# KiCad board s100_ColorMagic-1.1-004.kicad_pcb
title: Lomax ColorMagic Redux; date: 2024-08-16; rev: 1.1-001; company: Lomax Data Products; note: Redrawn/plotted by Richard Cini; note: Copyright (c) 2024
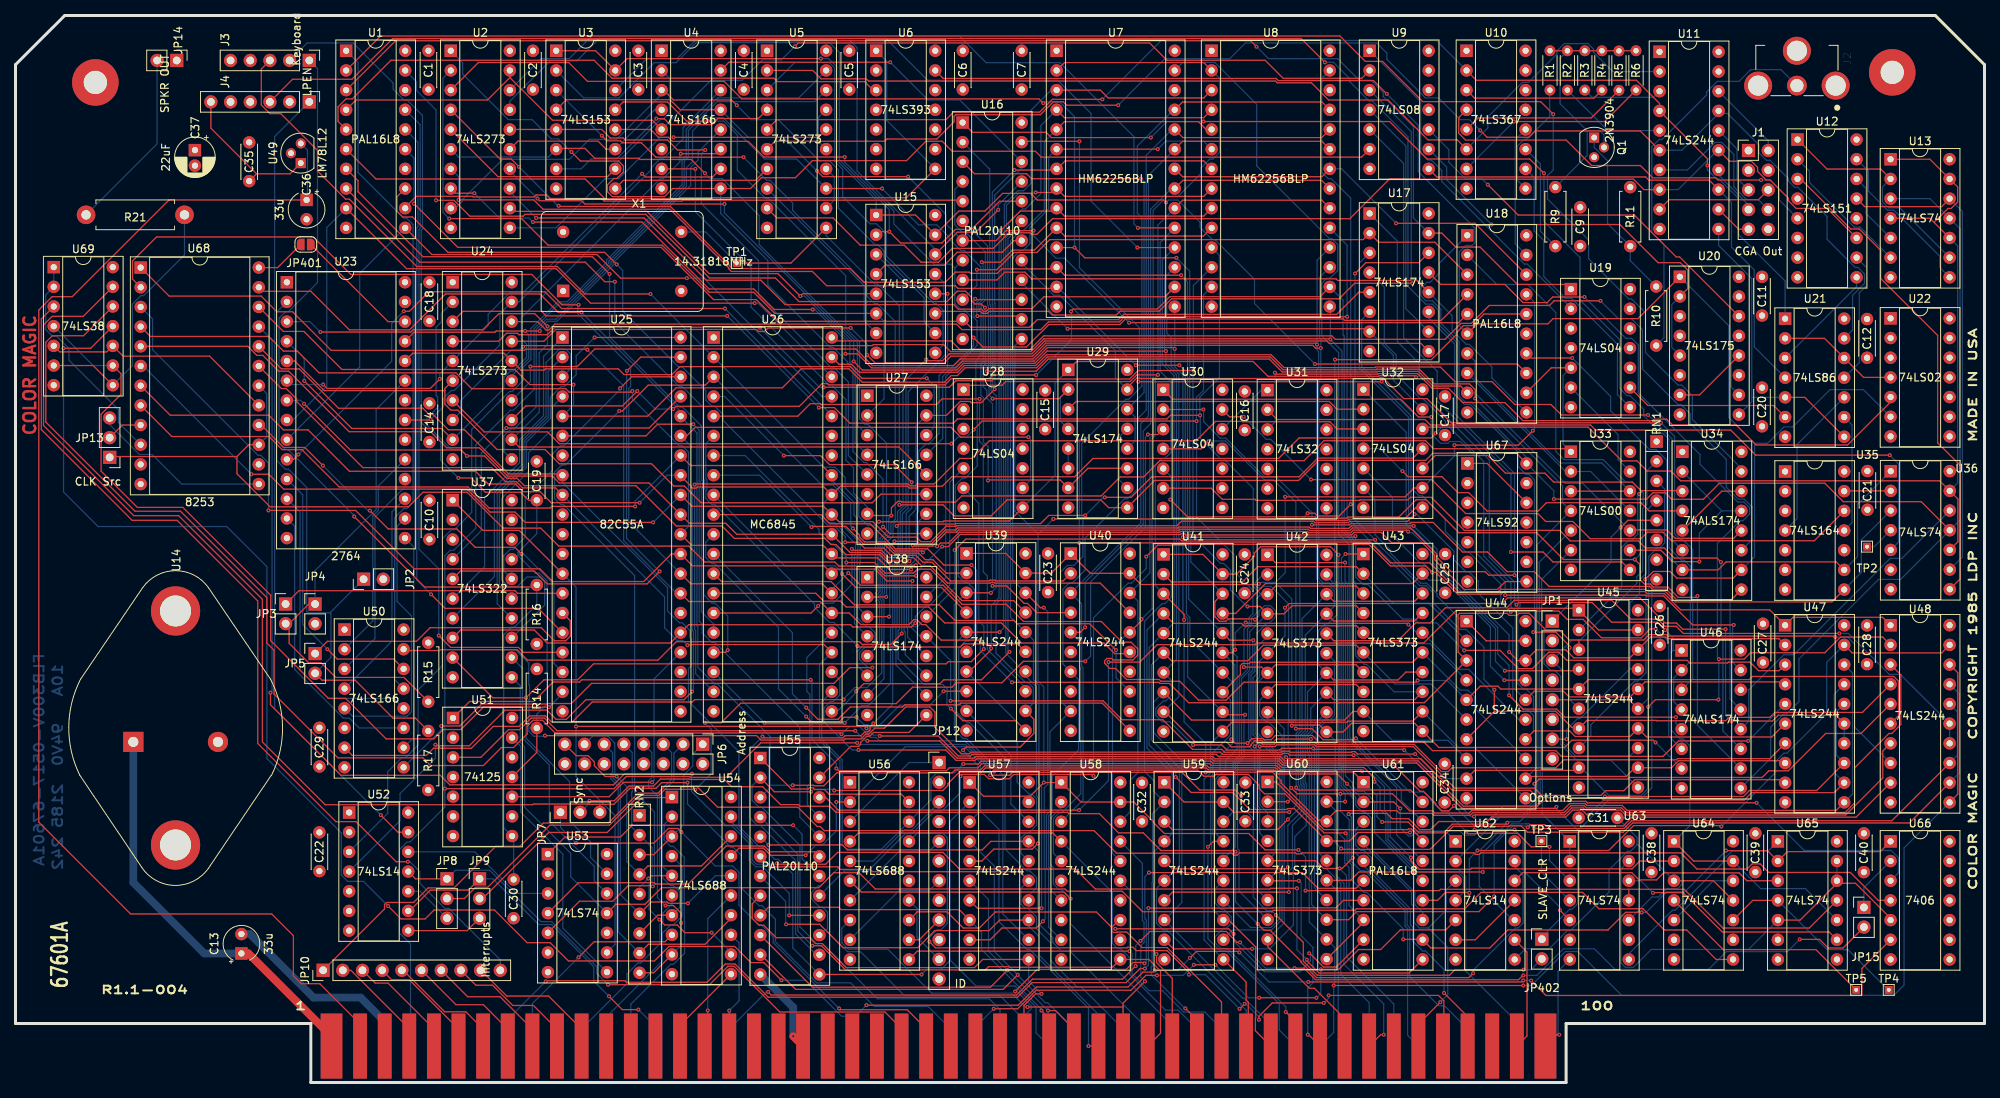
[diagram p0: board, top side]
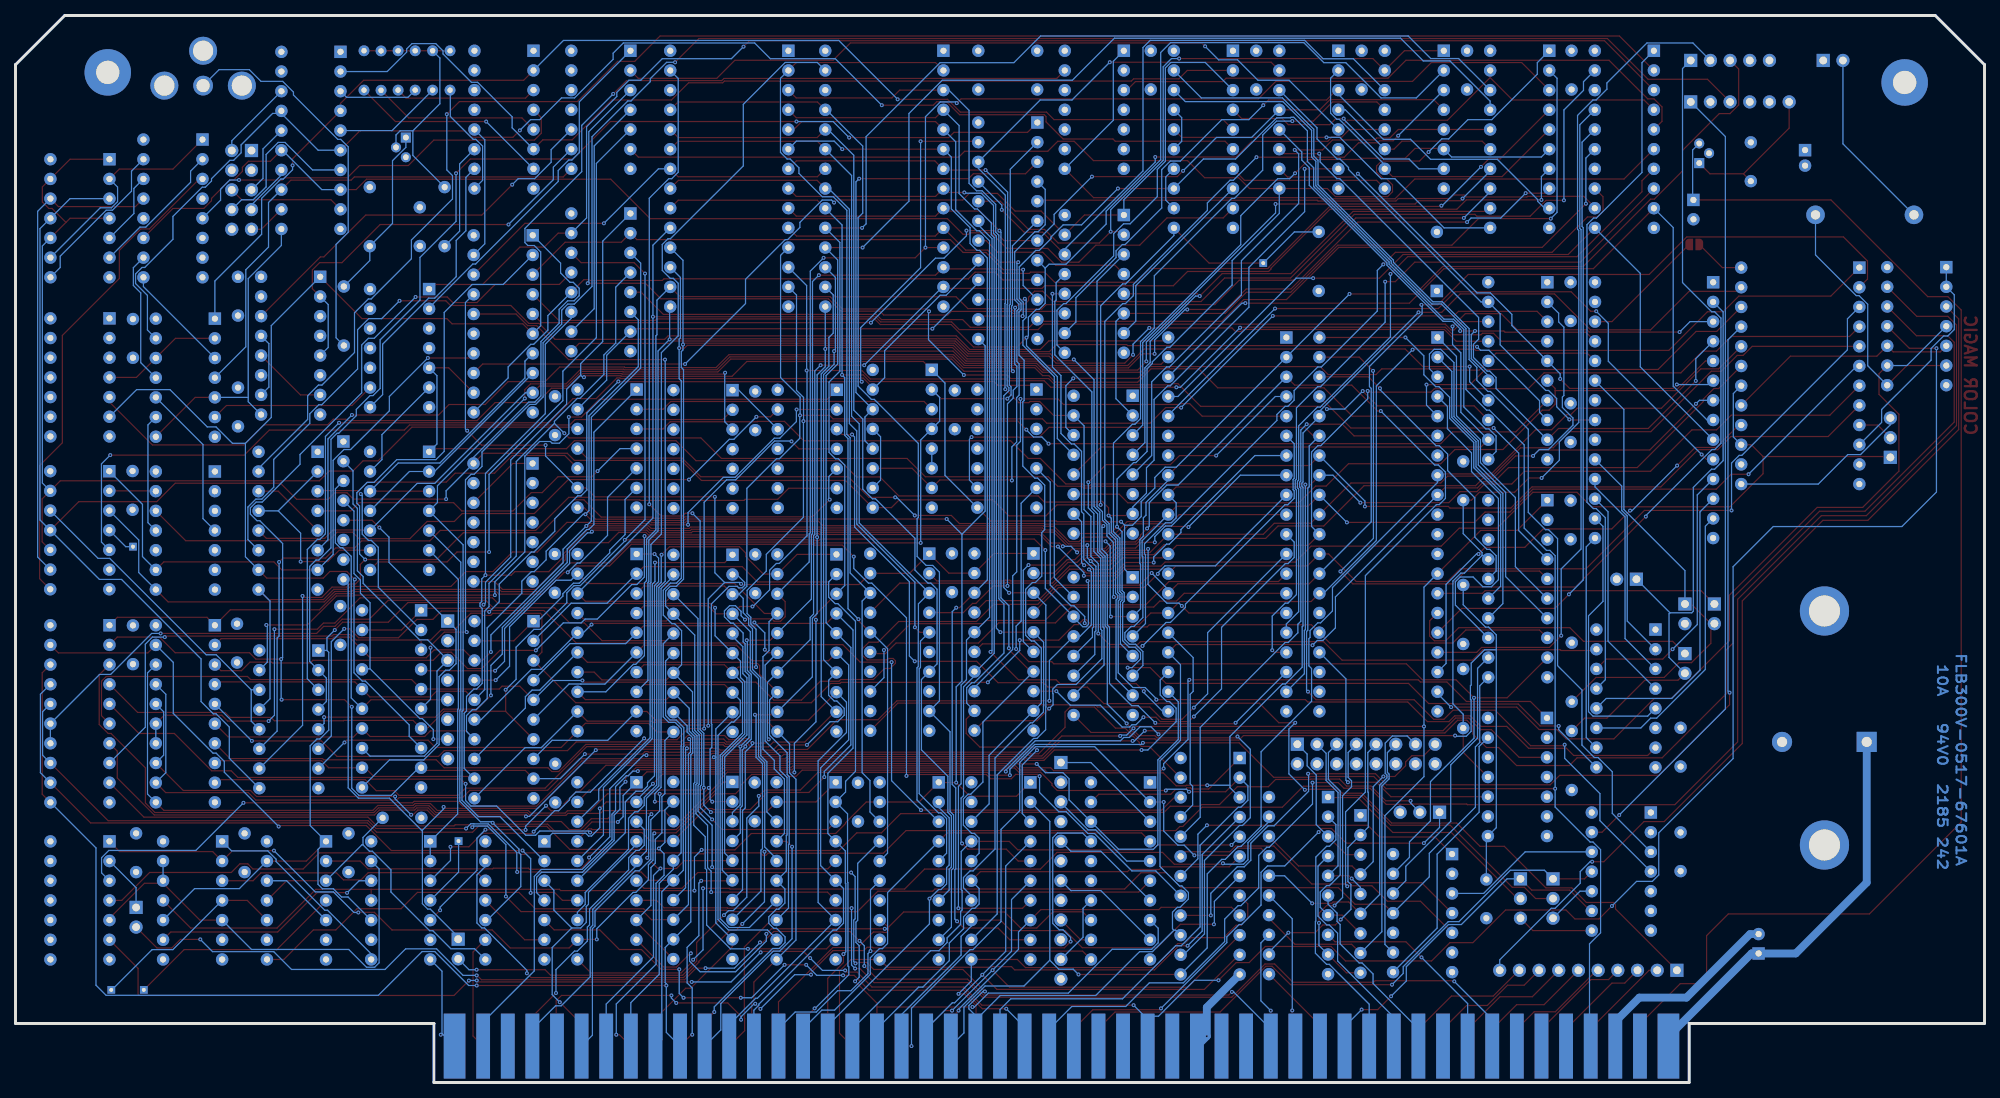
[diagram p1: board, bottom side, seen from below]

Outline 254 x 137.7 mm; copper layers: Component, In1.Cu, In2.Cu, Copper. Coordinates in mm from the lower left corner of the outline.
Outline path: 0,131.36 0,7.62 38.1,7.62 38.1,0 200.03,0 200.03,7.62 254,7.62 254,131.36 247.65,137.7 6.35,137.7 0,131.36
Stack: Component 0.035mm / dielectric 1.51mm FR4 er 4.5 / In1.Cu 0.035mm / dielectric 1.51mm FR4 er 4.5 / In2.Cu 0.035mm / dielectric 1.51mm FR4 er 4.5 / Copper 0.035mm

## Placement (name value [footprint] x y rotation side)
C1  0.1u  [C_Disc_D4.3mm_W1.9mm_P5.00mm]  53.27 133.16 270 top
C2  0.1  [C_Disc_D4.3mm_W1.9mm_P5.00mm]  66.75 133.16 270 top
C3  0.1 uF  [C_Disc_D4.3mm_W1.9mm_P5.00mm]  80.35 133.16 270 top
C4  0.1 uF  [C_Disc_D4.3mm_W1.9mm_P5.00mm]  93.95 133.16 270 top
C5  0.1 uF  [C_Disc_D4.3mm_W1.9mm_P5.00mm]  107.55 133.16 270 top
C6  0.1 uF  [C_Disc_D4.3mm_W1.9mm_P5.00mm]  122.2 133.16 270 top
C7  0.1 uF  [C_Disc_D4.3mm_W1.9mm_P5.00mm]  129.8 133.16 270 top
C9  0.1 uF  [C_Disc_D4.3mm_W1.9mm_P5.00mm]  201.84 107.95 90 top
C10  0.1 uF  [C_Disc_D4.3mm_W1.9mm_P5.00mm]  53.4 70.11 90 top
C11  0.1 uF  [C_Disc_D4.3mm_W1.9mm_P5.00mm]  225.3 103.98 270 top
C12  0.1 uF  [C_Disc_D4.3mm_W1.9mm_P5.00mm]  238.85 98.53 270 top
C13  33u  [CP_Radial_Tantal_D4.5mm_P2.50mm]  29.15 16.66 90 top
C14  0.1 uF  [C_Disc_D4.3mm_W1.9mm_P5.00mm]  53.4 82.66 90 top
C15  0.1 uF  [C_Disc_D4.3mm_W1.9mm_P5.00mm]  132.83 89.31 270 top
C16  0.1 uF  [C_Disc_D4.3mm_W1.9mm_P5.00mm]  158.58 89.19 270 top
C17  0.1 uF  [C_Disc_D4.3mm_W1.9mm_P5.00mm]  184.4 88.56 270 top
C18  0.1 uF  [C_Disc_D4.3mm_W1.9mm_P5.00mm]  53.4 98.28 90 top
C19  47p  [C_Disc_D4.3mm_W1.9mm_P5.00mm]  67.25 75.16 90 top
C20  0.1 uF  [C_Disc_D4.3mm_W1.9mm_P5.00mm]  225.3 84.68 90 top
C21  0.1 uF  [C_Disc_D4.3mm_W1.9mm_P5.00mm]  238.9 78.92 270 top
C22  0.1 uF  [C_Disc_D4.3mm_W1.9mm_P5.00mm]  39.21 32.28 270 top
C23  0.1 uF  [C_Disc_D4.3mm_W1.9mm_P5.00mm]  133.2 68.28 270 top
C24  0.1 uF  [C_Disc_D4.3mm_W1.9mm_P5.00mm]  158.58 68.16 270 top
C25  0.1 uF  [C_Disc_D4.3mm_W1.9mm_P5.00mm]  184.43 68.2 270 top
C26  0.1 uF  [C_Disc_D4.3mm_W1.9mm_P5.00mm]  212.1 56.48 90 top
C27  0.1 uF  [C_Disc_D4.3mm_W1.9mm_P5.00mm#2]  225.38 59.18 270 top
C28  0.1 uF  [C_Disc_D4.3mm_W1.9mm_P5.00mm]  238.85 58.99 270 top
C29  0.1 uF  [C_Disc_D4.3mm_W1.9mm_P5.00mm]  39.21 40.78 90 top
C30  47p  [C_Disc_D4.3mm_W1.9mm_P5.00mm]  64.26 26.21 270 top
C31  47p  [C_Disc_D4.3mm_W1.9mm_P5.00mm]  206.65 34.16 180 top
C32  0.1 uF  [C_Disc_D4.3mm_W1.9mm_P5.00mm]  145.32 38.69 270 top
C33  0.1 uF  [C_Disc_D4.3mm_W1.9mm_P5.00mm]  158.65 38.72 270 top
C34  0.1 uF  [C_Disc_D4.3mm_W1.9mm_P5.00mm]  184.37 41.14 270 top
C35  0.1u  [C_Disc_D4.3mm_W1.9mm_P5.00mm]  30.15 116.33 90 top
C36  33u  [CP_Radial_Tantal_D4.5mm_P2.50mm]  37.55 113.91 270 top
C37  22uF  [CP_Radial_D5.0mm_P2.00mm]  23.15 120.41 270 top
C38  0.1 uF  [C_Disc_D4.3mm_W1.9mm_P5.00mm]  211.05 32.16 270 top
C39  0.1 uF  [C_Disc_D4.3mm_W1.9mm_P5.00mm]  224.45 32.16 270 top
C40  0.1 uF  [C_Disc_D4.3mm_W1.9mm_P5.00mm]  238.45 32.16 270 top
H1  CONN_1  [MountingHole_3mm_Pad]  242.1 130.37 0 top
H2  CONN_1  [MountingHole_3mm_Pad]  10.3 129.06 0 top
J1  CGA Out  [PinHeader_2x05_P2.54mm_Vertical]  223.56 120.28 0 top
J2  RCJ-014  [CUI_RCJ-014]  229.8 134.61 270 top
J3  Keyboard  [PinHeader_1x05_P2.54mm_Vertical]  37.9 131.91 270 top
J4  LPEN  [PinHeader_1x06_P2.54mm_Vertical]  37.9 126.56 270 top
JP1  Options  [PinHeader_1x08_P2.54mm_Vertical]  198.25 59.56 0 top
JP2  Jumper_2_Open  [PinHeader_1x02_P2.54mm_Vertical]  44.91 64.95 90 top
JP3  Jumper_2_Open  [PinHeader_1x02_P2.54mm_Vertical]  34.85 61.75 0 top
JP4  Jumper_2_Open  [PinHeader_1x02_P2.54mm_Vertical]  38.65 61.75 0 top
JP5  Jumper_2_Open  [PinHeader_1x02_P2.54mm_Vertical]  38.65 55.36 0 top
JP6  Address  [PinHeader_2x08_P2.54mm_Vertical]  88.65 43.66 270 top
JP7  Sync  [PinHeader_1x03_P2.54mm_Vertical]  70.3 34.88 90 top
JP8  CLK Polarity  [PinHeader_1x03_P2.54mm_Vertical]  55.66 26.28 0 top
JP9  HIADDR  [PinHeader_1x03_P2.54mm_Vertical]  59.86 26.28 0 top
JP10  Interrupts  [PinHeader_1x10_P2.54mm_Vertical]  39.68 14.48 90 top
JP12  ID  [PinHeader_1x12_P2.54mm_Vertical]  119.15 41.29 0 top
JP13  CLK Src  [PinHeader_1x03_P2.54mm_Vertical]  12.15 80.68 180 top
JP14  SPKR OUT  [PinHeader_1x02_P2.54mm_Vertical]  20.8 131.91 270 top
JP15  Phantom  [PinHeader_1x02_P2.54mm_Vertical]  238.45 22.59 0 top
JP401  2732_VCC  [SolderJumper-2_P1.3mm_Open_RoundedPad1.0x1.5mm]  37.45 108.16 180 top
JP402  Jumper_2_Open  [PinHeader_1x02_P2.54mm_Vertical]  196.9 18.5 0 top
P1  -  [S100_MALE]  38.1 0 0 top
Q1  2N3904  [TO-92]  203.65 121.95 270 top
R1  1.0kQ  [R_Axial_DIN0204_L3.6mm_D1.6mm_P5.08mm_Horizontal]  197.95 128.07 90 top
R2  0k  [R_Axial_DIN0204_L3.6mm_D1.6mm_P5.08mm_Horizontal]  200.2 128.07 90 top
R3  0k  [R_Axial_DIN0204_L3.6mm_D1.6mm_P5.08mm_Horizontal]  202.45 128.07 90 top
R4  0k  [R_Axial_DIN0204_L3.6mm_D1.6mm_P5.08mm_Horizontal]  204.65 128.07 90 top
R5  2.2kQ  [R_Axial_DIN0204_L3.6mm_D1.6mm_P5.08mm_Horizontal]  206.84 128.06 90 top
R6  5.6kQ  [R_Axial_DIN0204_L3.6mm_D1.6mm_P5.08mm_Horizontal]  209.05 128.07 90 top
R9  5.6kQ  [R_Axial_DIN0207_L6.3mm_D2.5mm_P7.62mm_Horizontal]  198.65 107.94 90 top
R10  22Q  [R_Axial_DIN0207_L6.3mm_D2.5mm_P7.62mm_Horizontal]  211.65 102.73 270 top
R11  100Q  [R_Axial_DIN0207_L6.3mm_D2.5mm_P7.62mm_Horizontal]  208.3 115.56 270 top
R14  4.7kQ  [R_Axial_DIN0207_L6.3mm_D2.5mm_P7.62mm_Horizontal]  67.25 45.75 90 top
R15  4.7kQ  [R_Axial_DIN0207_L6.3mm_D2.5mm_P7.62mm_Horizontal]  53.24 56.77 270 top
R16  4.7kQ  [R_Axial_DIN0207_L6.3mm_D2.5mm_P7.62mm_Horizontal]  67.25 64.22 270 top
R17  4.7kQ  [R_Axial_DIN0207_L6.3mm_D2.5mm_P7.62mm_Horizontal]  53.24 37.75 90 top
R21  56.0H  [R_Axial_DIN0411_L9.9mm_D3.6mm_P12.70mm_Horizontal]  21.8 111.98 180 top
RN1  4.7kQ  [R_Array_SIP8]  211.7 82.72 270 top
RN2  4.7kQ  [R_Array_SIP9]  80.5 34.48 270 top
TP1  TestPoint  [TestPoint_THTPad_1.0x1.0mm_Drill0.5mm]  93.05 105.75 0 top
TP2  TestPoint  [TestPoint_THTPad_1.0x1.0mm_Drill0.5mm]  238.84 69.16 0 top
TP3  TestPoint  [TestPoint_THTPad_1.0x1.0mm_Drill0.5mm]  196.84 31.16 0 top
TP4  TestPoint  [TestPoint_THTPad_1.0x1.0mm_Drill0.5mm]  241.65 11.96 0 top
TP5  TestPoint  [TestPoint_THTPad_1.0x1.0mm_Drill0.5mm]  237.45 11.96 0 top
U1  PAL16L8  [DIP-20_W7.62mm_Socket]  42.65 133.16 0 top
U2  74LS273  [DIP-20_W7.62mm_Socket]  56.15 133.16 0 top
U3  74LS153  [DIP-16_W7.62mm_Socket]  69.75 133.16 0 top
U4  74LS166  [DIP-16_W7.62mm_Socket]  83.35 133.16 0 top
U5  74LS273  [DIP-20_W7.62mm_Socket]  96.95 133.16 0 top
U6  74LS393  [DIP-14_W7.62mm_Socket]  111.03 133.16 0 top
U7  HM62256BLP  [DIP-28_W15.24mm_Socket]  134.3 133.16 0 top
U8  HM62256BLP  [DIP-28_W15.24mm_Socket]  154.3 133.16 0 top
U9  74LS08  [DIP-14_W7.62mm_Socket]  174.68 133.16 0 top
U10  74LS367  [DIP-16_W7.62mm_Socket]  187.18 133.16 0 top
U11  74LS244  [DIP-20_W7.62mm_Socket]  212.08 133.01 0 top
U12  74LS151  [DIP-16_W7.62mm_Socket]  229.88 121.69 0 top
U13  74LS74  [DIP-14_W7.62mm_Socket]  241.88 119.16 0 top
U14  LM7805K  [TO-3]  15.2 43.96 90 top
U15  74LS153  [DIP-16_W7.62mm_Socket]  111.03 111.95 0 top
U16  PAL20L10  [DIP-24_W7.62mm_Socket]  122.18 123.9 0 top
U17  74LS174  [DIP-16_W7.62mm_Socket]  174.68 112.16 0 top
U18  PAL16L8  [DIP-20_W7.62mm_Socket]  187.28 109.34 0 top
U19  74LS04  [DIP-14_W7.62mm_Socket]  200.65 102.39 0 top
U20  74LS175  [DIP-16_W7.62mm_Socket]  214.7 103.98 0 top
U21  74LS86  [DIP-14_W7.62mm_Socket]  228.28 98.58 0 top
U22  74LS02  [DIP-14_W7.62mm_Socket]  241.88 98.62 0 top
U23  2764  [DIP-28_W15.24mm_Socket]  35.01 103.28 0 top
U24  74LS273  [DIP-20_W7.62mm_Socket]  56.4 103.28 0 top
U25  82C55A  [DIP-40_W15.24mm_Socket]  70.56 96.16 0 top
U26  MC6845  [DIP-40_W15.24mm_Socket]  90.06 96.16 0 top
U27  74LS166  [DIP-16_W7.62mm_Socket]  109.88 88.63 0 top
U28  74LS04  [DIP-14_W7.62mm_Socket]  122.3 89.43 0 top
U29  74LS174  [DIP-16_W7.62mm_Socket]  135.8 91.97 0 top
U30  74LS04  [DIP-14_W7.62mm_Socket]  148.05 89.39 0 top
U31  74LS32  [DIP-14_W7.62mm_Socket]  161.51 89.36 0 top
U32  74LS04  [DIP-14_W7.62mm_Socket]  173.88 89.43 0 top
U33  74LS00  [DIP-14_W7.62mm_Socket]  200.65 81.39 0 top
U34  74ALS174  [DIP-16_W7.62mm_Socket]  215.03 81.39 0 top
U35  74LS164  [DIP-14_W7.62mm_Socket]  228.28 78.86 0 top
U36  74LS74  [DIP-14_W7.62mm_Socket]  241.9 78.89 0 top
U37  74LS322  [DIP-20_W7.62mm_Socket]  56.4 75.16 0 top
U38  74LS174  [DIP-16_W7.62mm_Socket]  109.88 65.2 0 top
U39  74LS244  [DIP-20_W7.62mm_Socket]  122.68 68.28 0 top
U40  74LS244  [DIP-20_W7.62mm_Socket]  136.12 68.25 0 top
U41  74LS244  [DIP-20_W7.62mm_Socket]  148.1 68.16 0 top
U42  74LS373  [DIP-20_W7.62mm_Socket]  161.51 68.11 0 top
U43  74LS373  [DIP-20_W7.62mm_Socket]  173.88 68.2 0 top
U44  74LS244  [DIP-20_W7.62mm_Socket]  187.18 59.54 0 top
U45  74LS244  [DIP-20_W7.62mm_Socket]  201.68 60.94 0 top
U46  74ALS174  [DIP-16_W7.62mm_Socket]  214.93 55.76 0 top
U47  74LS244  [DIP-20_W7.62mm_Socket]  228.28 59.02 0 top
U48  74LS244  [DIP-20_W7.62mm_Socket]  241.88 59.02 0 top
U49  LM78L12  [TO-92L]  36.8 118.66 90 top
U50  74LS166  [DIP-16_W7.62mm_Socket]  42.45 58.45 0 top
U51  74125  [DIP-14_W7.62mm_Socket]  56.44 47.04 0 top
U52  74LS14  [DIP-14_W7.62mm_Socket]  43.04 34.84 0 top
U53  74LS74  [DIP-14_W7.62mm_Socket]  68.68 29.48 0 top
U54  74LS688  [DIP-20_W7.62mm_Socket]  84.68 36.84 0 top
U55  PAL20L10  [DIP-24_W7.62mm_Socket]  96.08 41.88 0 top
U56  74LS688  [DIP-20_W7.62mm_Socket]  107.65 38.74 0 top
U57  74LS244  [DIP-20_W7.62mm_Socket]  123.08 38.74 0 top
U58  74LS244  [DIP-20_W7.62mm_Socket]  134.9 38.74 0 top
U59  74LS244  [DIP-20_W7.62mm_Socket]  148.2 38.75 0 top
U60  74LS373  [DIP-20_W7.62mm_Socket]  161.53 38.79 0 top
U61  PAL16L8  [DIP-20_W7.62mm_Socket]  173.9 38.75 0 top
U62  74LS14  [DIP-14_W7.62mm_Socket]  185.78 31.12 0 top
U63  74LS74  [DIP-14_W7.62mm_Socket]  200.5 31.12 0 top
U64  74LS74  [DIP-14_W7.62mm_Socket]  213.95 31.12 0 top
U65  74LS74  [DIP-14_W7.62mm_Socket]  227.34 31.12 0 top
U66  7406  [DIP-14_W7.62mm_Socket]  241.88 31.12 0 top
U67  74LS92  [DIP-14_W7.62mm_Socket]  187.3 79.89 0 top
U68  8253  [DIP-24_W15.24mm_Socket]  16.15 105.17 0 top
U69  74LS38  [DIP-14_W7.62mm_Socket]  4.93 105.23 0 top
X1  14.31818MHz  [Oscillator_DIP-14]  70.65 102.16 0 top

## Footprints (pads in the part's own frame, mm; a bottom-side part is the same pattern mirrored in y, then rotated)
C_Disc_D4.3mm_W1.9mm_P5.00mm
  round 1.6 hole 0.8: 1(0,0) 2(5,0)
C_Disc_D4.3mm_W1.9mm_P5.00mm#2
  round 1.6 hole 0.8: 1(-0.025,0.05) 2(4.975,0.05)
CP_Radial_D5.0mm_P2.00mm
  rect 1.6x1.6 hole 0.8: 1(0.084,0)
  round 1.6 hole 0.8: 2(2.084,0)
CP_Radial_Tantal_D4.5mm_P2.50mm
  rect 1.6x1.6 hole 0.8: 1(0,0)
  round 1.6 hole 0.8: 2(2.5,0)
CUI_RCJ-014
  round 3.616 hole 2.6: 1A(5.95,5) 1B(5.95,-5) 1C(1.45,0)
  round 2.55 hole 1.7: 2(5.95,0)
DIP-14_W7.62mm_Socket
  rect 1.6x1.6 hole 0.8: 1(0,0)
  oval 1.6x1.6 hole 0.8: 2(0,-2.54) 3(0,-5.08) 4(0,-7.62) 5(0,-10.16) 6(0,-12.7) 7(0,-15.24) 8(7.62,-15.24) 9(7.62,-12.7) 10(7.62,-10.16) 11(7.62,-7.62) 12(7.62,-5.08) 13(7.62,-2.54) 14(7.62,0)
DIP-16_W7.62mm_Socket
  rect 1.6x1.6 hole 0.8: 1(0,0)
  oval 1.6x1.6 hole 0.8: 2(0,-2.54) 3(0,-5.08) 4(0,-7.62) 5(0,-10.16) 6(0,-12.7) 7(0,-15.24) 8(0,-17.78) 9(7.62,-17.78) 10(7.62,-15.24) 11(7.62,-12.7) 12(7.62,-10.16) 13(7.62,-7.62) 14(7.62,-5.08) 15(7.62,-2.54) 16(7.62,0)
DIP-20_W7.62mm_Socket
  rect 1.6x1.6 hole 0.8: 1(0,0)
  oval 1.6x1.6 hole 0.8: 2(0,-2.54) 3(0,-5.08) 4(0,-7.62) 5(0,-10.16) 6(0,-12.7) 7(0,-15.24) 8(0,-17.78) 9(0,-20.32) 10(0,-22.86) 11(7.62,-22.86) 12(7.62,-20.32) 13(7.62,-17.78) 14(7.62,-15.24) 15(7.62,-12.7) 16(7.62,-10.16) 17(7.62,-7.62) 18(7.62,-5.08) 19(7.62,-2.54) 20(7.62,0)
DIP-24_W7.62mm_Socket
  rect 1.6x1.6 hole 0.8: 1(0,0)
  oval 1.6x1.6 hole 0.8: 2(0,-2.54) 3(0,-5.08) 4(0,-7.62) 5(0,-10.16) 6(0,-12.7) 7(0,-15.24) 8(0,-17.78) 9(0,-20.32) 10(0,-22.86) 11(0,-25.4) 12(0,-27.94) 13(7.62,-27.94) 14(7.62,-25.4) 15(7.62,-22.86) 16(7.62,-20.32) 17(7.62,-17.78) 18(7.62,-15.24) 19(7.62,-12.7) 20(7.62,-10.16) 21(7.62,-7.62) 22(7.62,-5.08) 23(7.62,-2.54) 24(7.62,0)
DIP-24_W15.24mm_Socket
  rect 1.6x1.6 hole 0.8: 1(0,0)
  oval 1.6x1.6 hole 0.8: 2(0,-2.54) 3(0,-5.08) 4(0,-7.62) 5(0,-10.16) 6(0,-12.7) 7(0,-15.24) 8(0,-17.78) 9(0,-20.32) 10(0,-22.86) 11(0,-25.4) 12(0,-27.94) 13(15.24,-27.94) 14(15.24,-25.4) 15(15.24,-22.86) 16(15.24,-20.32) 17(15.24,-17.78) 18(15.24,-15.24) 19(15.24,-12.7) 20(15.24,-10.16) 21(15.24,-7.62) 22(15.24,-5.08) 23(15.24,-2.54) 24(15.24,0)
DIP-28_W15.24mm_Socket
  rect 1.6x1.6 hole 0.8: 1(0,0)
  oval 1.6x1.6 hole 0.8: 2(0,-2.54) 3(0,-5.08) 4(0,-7.62) 5(0,-10.16) 6(0,-12.7) 7(0,-15.24) 8(0,-17.78) 9(0,-20.32) 10(0,-22.86) 11(0,-25.4) 12(0,-27.94) 13(0,-30.48) 14(0,-33.02) 15(15.24,-33.02) 16(15.24,-30.48) 17(15.24,-27.94) 18(15.24,-25.4) 19(15.24,-22.86) 20(15.24,-20.32) 21(15.24,-17.78) 22(15.24,-15.24) 23(15.24,-12.7) 24(15.24,-10.16) 25(15.24,-7.62) 26(15.24,-5.08) 27(15.24,-2.54) 28(15.24,0)
DIP-40_W15.24mm_Socket
  rect 1.6x1.6 hole 0.8: 1(0,0)
  oval 1.6x1.6 hole 0.8: 2(0,-2.54) 3(0,-5.08) 4(0,-7.62) 5(0,-10.16) 6(0,-12.7) 7(0,-15.24) 8(0,-17.78) 9(0,-20.32) 10(0,-22.86) 11(0,-25.4) 12(0,-27.94) 13(0,-30.48) 14(0,-33.02) 15(0,-35.56) 16(0,-38.1) 17(0,-40.64) 18(0,-43.18) 19(0,-45.72) 20(0,-48.26) 21(15.24,-48.26) 22(15.24,-45.72) 23(15.24,-43.18) 24(15.24,-40.64) 25(15.24,-38.1) 26(15.24,-35.56) 27(15.24,-33.02) 28(15.24,-30.48) 29(15.24,-27.94) 30(15.24,-25.4) 31(15.24,-22.86) 32(15.24,-20.32) 33(15.24,-17.78) 34(15.24,-15.24) 35(15.24,-12.7) 36(15.24,-10.16) 37(15.24,-7.62) 38(15.24,-5.08) 39(15.24,-2.54) 40(15.24,0)
MountingHole_3mm_Pad
  round 6 hole 3: 1(0,0)
Oscillator_DIP-14
  rect 1.6x1.6 hole 0.8: 1(0,0)
  round 1.6 hole 0.8: 7(15.24,0) 8(15.24,7.62) 14(0,7.62)
PinHeader_1x02_P2.54mm_Vertical
  rect 1.7x1.7 hole 1: 1(0,0)
  oval 1.7x1.7 hole 1: 2(0,-2.54)
PinHeader_1x03_P2.54mm_Vertical
  rect 1.7x1.7 hole 1: 1(0,0)
  oval 1.7x1.7 hole 1: 2(0,-2.54) 3(0,-5.08)
PinHeader_1x05_P2.54mm_Vertical
  rect 1.7x1.7 hole 1: 1(0,0)
  oval 1.7x1.7 hole 1: 2(0,-2.54) 3(0,-5.08) 4(0,-7.62) 5(0,-10.16)
PinHeader_1x06_P2.54mm_Vertical
  rect 1.7x1.7 hole 1: 1(0,0)
  oval 1.7x1.7 hole 1: 2(0,-2.54) 3(0,-5.08) 4(0,-7.62) 5(0,-10.16) 6(0,-12.7)
PinHeader_1x08_P2.54mm_Vertical
  rect 1.7x1.7 hole 1: 1(0,0)
  oval 1.7x1.7 hole 1: 2(0,-2.54) 3(0,-5.08) 4(0,-7.62) 5(0,-10.16) 6(0,-12.7) 7(0,-15.24) 8(0,-17.78)
PinHeader_1x10_P2.54mm_Vertical
  rect 1.7x1.7 hole 1: 1(0,0)
  oval 1.7x1.7 hole 1: 2(0,-2.54) 3(0,-5.08) 4(0,-7.62) 5(0,-10.16) 6(0,-12.7) 7(0,-15.24) 8(0,-17.78) 9(0,-20.32) 10(0,-22.86)
PinHeader_1x12_P2.54mm_Vertical
  rect 1.7x1.7 hole 1: 1(0,0)
  oval 1.7x1.7 hole 1: 2(0,-2.54) 3(0,-5.08) 4(0,-7.62) 5(0,-10.16) 6(0,-12.7) 7(0,-15.24) 8(0,-17.78) 9(0,-20.32) 10(0,-22.86) 11(0,-25.4) 12(0,-27.94)
PinHeader_2x05_P2.54mm_Vertical
  rect 1.7x1.7 hole 1: 1(0,0)
  oval 1.7x1.7 hole 1: 2(2.54,0) 3(0,-2.54) 4(2.54,-2.54) 5(0,-5.08) 6(2.54,-5.08) 7(0,-7.62) 8(2.54,-7.62) 9(0,-10.16) 10(2.54,-10.16)
PinHeader_2x08_P2.54mm_Vertical
  rect 1.7x1.7 hole 1: 1(0,0)
  oval 1.7x1.7 hole 1: 2(2.54,0) 3(0,-2.54) 4(2.54,-2.54) 5(0,-5.08) 6(2.54,-5.08) 7(0,-7.62) 8(2.54,-7.62) 9(0,-10.16) 10(2.54,-10.16) 11(0,-12.7) 12(2.54,-12.7) 13(0,-15.24) 14(2.54,-15.24) 15(0,-17.78) 16(2.54,-17.78)
R_Array_SIP8
  rect 1.6x1.6 hole 0.8: 1(0,0)
  oval 1.6x1.6 hole 0.8: 2(2.54,0) 3(5.08,0) 4(7.62,0) 5(10.16,0) 6(12.7,0) 7(15.24,0) 8(17.78,0)
R_Array_SIP9
  rect 1.6x1.6 hole 0.8: 1(0,0)
  oval 1.6x1.6 hole 0.8: 2(2.54,0) 3(5.08,0) 4(7.62,0) 5(10.16,0) 6(12.7,0) 7(15.24,0) 8(17.78,0) 9(20.32,0)
R_Axial_DIN0204_L3.6mm_D1.6mm_P5.08mm_Horizontal
  round 1.4 hole 0.7: 1(0,0)
  oval 1.4x1.4 hole 0.7: 2(5.08,0)
R_Axial_DIN0207_L6.3mm_D2.5mm_P7.62mm_Horizontal
  round 1.6 hole 0.8: 1(0,0)
  oval 1.6x1.6 hole 0.8: 2(7.62,0)
R_Axial_DIN0411_L9.9mm_D3.6mm_P12.70mm_Horizontal
  round 2.4 hole 1.2: 1(0,0)
  oval 2.4x2.4 hole 1.2: 2(12.7,0)
S100_MALE
  rect 2.794x8.382 smd: 1(2.667,4.699) 50(159.258,4.699)
  rect 1.778x8.382 smd: 2(6.35,4.699) 3(9.525,4.699) 4(12.7,4.699) 5(15.875,4.699) 6(19.05,4.699) 7(22.225,4.699) 8(25.4,4.699) 9(28.575,4.699) 10(31.75,4.699) 11(34.925,4.699) 12(38.1,4.699) 13(41.275,4.699) 14(44.45,4.699) 15(47.625,4.699) 16(50.8,4.699) 17(53.975,4.699) 18(57.15,4.699) 19(60.325,4.699) 20(63.5,4.699) 21(66.675,4.699) 22(69.85,4.699) 23(73.025,4.699) 24(76.2,4.699) 25(79.375,4.699) 26(82.55,4.699) 27(85.725,4.699) 28(88.9,4.699) 29(92.075,4.699) 30(95.25,4.699) 31(98.425,4.699) 32(101.6,4.699) 33(104.775,4.699) 34(107.95,4.699) 35(111.125,4.699) 36(114.3,4.699) 37(117.475,4.699) 38(120.65,4.699) 39(123.825,4.699) 40(127,4.699) 41(130.175,4.699) 42(133.35,4.699) 43(136.525,4.699) 44(139.7,4.699) 45(142.875,4.699) 46(146.05,4.699) 47(149.225,4.699) 48(152.4,4.699) 49(155.575,4.699)
  rect 2.794x8.382 smd far side: 51(2.667,4.699) 100(159.258,4.699)
  rect 1.778x8.382 smd far side: 52(6.35,4.699) 53(9.525,4.699) 54(12.7,4.699) 55(15.875,4.699) 56(19.05,4.699) 57(22.225,4.699) 58(25.4,4.699) 59(28.575,4.699) 60(31.75,4.699) 61(34.925,4.699) 62(38.1,4.699) 63(41.275,4.699) 64(44.45,4.699) 65(47.625,4.699) 66(50.8,4.699) 67(53.975,4.699) 68(57.15,4.699) 69(60.325,4.699) 70(63.5,4.699) 71(66.675,4.699) 72(69.85,4.699) 73(73.025,4.699) 74(76.2,4.699) 75(79.375,4.699) 76(82.55,4.699) 77(85.725,4.699) 78(88.9,4.699) 79(92.075,4.699) 80(95.25,4.699) 81(98.425,4.699) 82(101.6,4.699) 83(104.775,4.699) 84(107.95,4.699) 85(111.125,4.699) 86(114.3,4.699) 87(117.475,4.699) 88(120.65,4.699) 89(123.825,4.699) 90(127,4.699) 91(130.175,4.699) 92(133.35,4.699) 93(136.525,4.699) 94(139.7,4.699) 95(142.875,4.699) 96(146.05,4.699) 97(149.225,4.699) 98(152.4,4.699) 99(155.575,4.699)
SolderJumper-2_P1.3mm_Open_RoundedPad1.0x1.5mm
  custom 1x1.5 smd: 1(-0.65,0) 2(0.65,0)
TestPoint_THTPad_1.0x1.0mm_Drill0.5mm
  rect 1x1 hole 0.5: 1(0,0)
TO-3
  rect 2.6x2.6 hole 1.3: 1(0,0)
  round 2.6 hole 1.3: 2(0,-10.92)
  round 6.35 hole 4: 3(-13.3,-5.45) 3(16.9,-5.45)
TO-92
  rect 1.3x1.3 hole 0.75: 1(0,0)
  round 1.3 hole 0.75: 2(1.27,1.27) 3(2.54,0)
TO-92L
  rect 1.3x1.3 hole 0.75: 1(0,0)
  round 1.3 hole 0.75: 2(1.28,1.27) 3(2.54,0)

## Nets
+12V: C35.1 J4.6 U49.1
/Power_Buss_IF/-16V: P1.52
GND: C1.2 C2.2 C3.2 C4.2 C5.2 C6.2 C7.2 C9.2 C10.2 C11.2 C12.2 C13.2 C14.2 C15.2 C16.2 C17.2 C18.2 C19.2 C20.2 C21.2 C22.2 C23.2 C24.2 C25.2 C26.2 C27.2 C28.2 C29.2 C30.2 C31.2 C32.2 C33.2 C34.2 C35.2 C36.2 C37.2 C38.2 C39.2 C40.2 J1.1 J1.10 J2.1A J2.1B J2.1C J3.4 J4.4 JP1.2 JP1.4 JP1.6 JP1.8 JP2.2 JP4.2 JP6.2 JP6.4 JP6.6 JP6.8 JP6.10 JP6.12 JP6.14 JP6.16 JP12.2 JP12.4 JP12.6 JP12.8 JP12.10 JP12.12 P1.20 P1.50 P1.53 P1.70 P1.100 R11.1 U1.10 U2.10 U3.8 U4.1 U4.6 U4.8 U5.10 U6.2 U6.7 U6.12 U7.1 U7.14 U7.26 U8.1 U8.14 U8.26 U9.7 U10.1 U10.8 U10.15 U11.1 U11.10 U11.19 U12.4 U12.7 U12.8 U13.7 U14.3 U15.8 U16.12 U17.8 U18.10 U19.7 U20.8 U21.7 U22.7 U23.14 U23.20 U23.22 U24.10 U25.7 U26.1 U27.1 U27.6 U27.8 U28.7 U29.8 U30.7 U31.7 U32.7 U33.7 U34.8 U35.7 U36.7 U37.10 U38.8 U39.10 U40.10 U41.10 U42.10 U43.10 U44.10 U45.10 U46.8 U47.10 U48.10 U49.2 U50.1 U50.6 U50.8 U51.2 U51.7 U51.9 U51.12 U52.7 U53.7 U54.10 U55.12 U56.1 U56.10 U56.15 U56.16 U57.10 U58.10 U59.10 U60.10 U61.10 U62.7 U63.7 U64.7 U65.7 U66.7 U67.6 U67.7 U67.10 U68.12 U69.7 X1.7
VCC: C1.1 C2.1 C3.1 C4.1 C5.1 C6.1 C7.1 C9.1 C10.1 C11.1 C12.1 C14.1 C15.1 C16.1 C17.1 C18.1 C20.1 C21.1 C22.1 C23.1 C24.1 C25.1 C26.1 C27.1 C28.1 C29.1 C32.1 C33.1 C34.1 C37.1 C38.1 C39.1 C40.1 J3.5 J4.5 JP14.1 JP401.2 Q1.3 R14.2 R15.1 R16.2 R17.1 RN1.1 RN2.1 U1.20 U2.20 U3.16 U4.16 U5.1 U5.20 U6.14 U7.28 U8.28 U9.14 U10.16 U11.20 U12.12 U12.16 U13.14 U14.2 U15.16 U16.24 U17.16 U18.20 U19.14 U20.4 U20.16 U21.14 U22.14 U23.28 U24.1 U24.20 U25.26 U26.20 U27.16 U28.14 U29.16 U30.14 U31.14 U32.14 U33.14 U34.1 U34.16 U35.1 U35.2 U35.14 U36.14 U37.2 U37.3 U37.18 U37.19 U37.20 U38.16 U39.20 U40.20 U41.20 U42.20 U43.20 U44.20 U45.20 U46.16 U47.20 U48.20 U50.16 U51.14 U52.14 U53.2 U53.10 U53.14 U54.20 U55.24 U56.20 U57.20 U58.20 U59.20 U60.20 U61.20 U62.14 U63.14 U64.14 U65.14 U66.14 U67.5 U68.11 U68.14 U68.24 U69.14 X1.14
3.58MHZ: U36.12 U46.12 U46.14
7MHZ: U18.2 U30.5 U46.10
14MCLK: TP1.1 U5.11 U13.3 U13.11 U18.1 U29.9 U36.11 U46.9 U67.14 X1.8
6845E: U26.23 U63.5
/3.6MCLK: U30.2 U34.9 U46.13
/7MHZ: U30.6 U46.11
/6845CS: U26.25 U55.21
/6845WRT: U26.22 U56.18 U62.4
/BLANK: U10.12 U18.19
/BW: U13.1 U13.4 U13.10 U13.13 U32.12 U36.10 U36.13
/CLR_SL: U2.1 U4.9 U9.6 U27.9 U50.9
/CURSOR_DLY: U1.2 U34.15
/DISPEN: U32.10 U34.3 U45.2
/DISPEN_DLY: U16.6 U18.9 U33.10 U34.12
/EN2: U41.1 U41.19 U61.13
/EN3: U47.19 U48.19 U61.14
/EN4: U43.1 U61.15
/EN5: U42.1 U61.16
/EN6: U60.1 U61.17
/ENABLE_BLINK: U9.1 U19.2
/EVNWR: U8.27 U59.1 U59.19 U61.19
/HCLK: U16.13 U32.8 U57.1 U57.19 U58.1 U58.19 U63.11 U65.11
/HSYNC_DLY: U18.14 U34.7 U35.9 U36.1
/IDEN1: U32.5 U47.1 U48.1 U55.17
/IO Chips/KBD_INT*: JP10.1 U66.4
/LPEN_CLR: U53.1 U55.18
/LPEN_SET: U53.4 U55.19
/LPENSW: J4.3 U45.6
/MA13: U28.2
/ODDWR: U7.27 U61.18
/PHANTOM: JP15.2 P1.67
/PIACS: U25.6 U55.20
/PORT1_WR: U17.9 U55.14
/PORT2_WR: U38.9 U55.23
/Power_Buss_IF/ADSB*: P1.22